# Altium PCB Fast_Servo.PCBDOC (part 1 of 7) (continued)
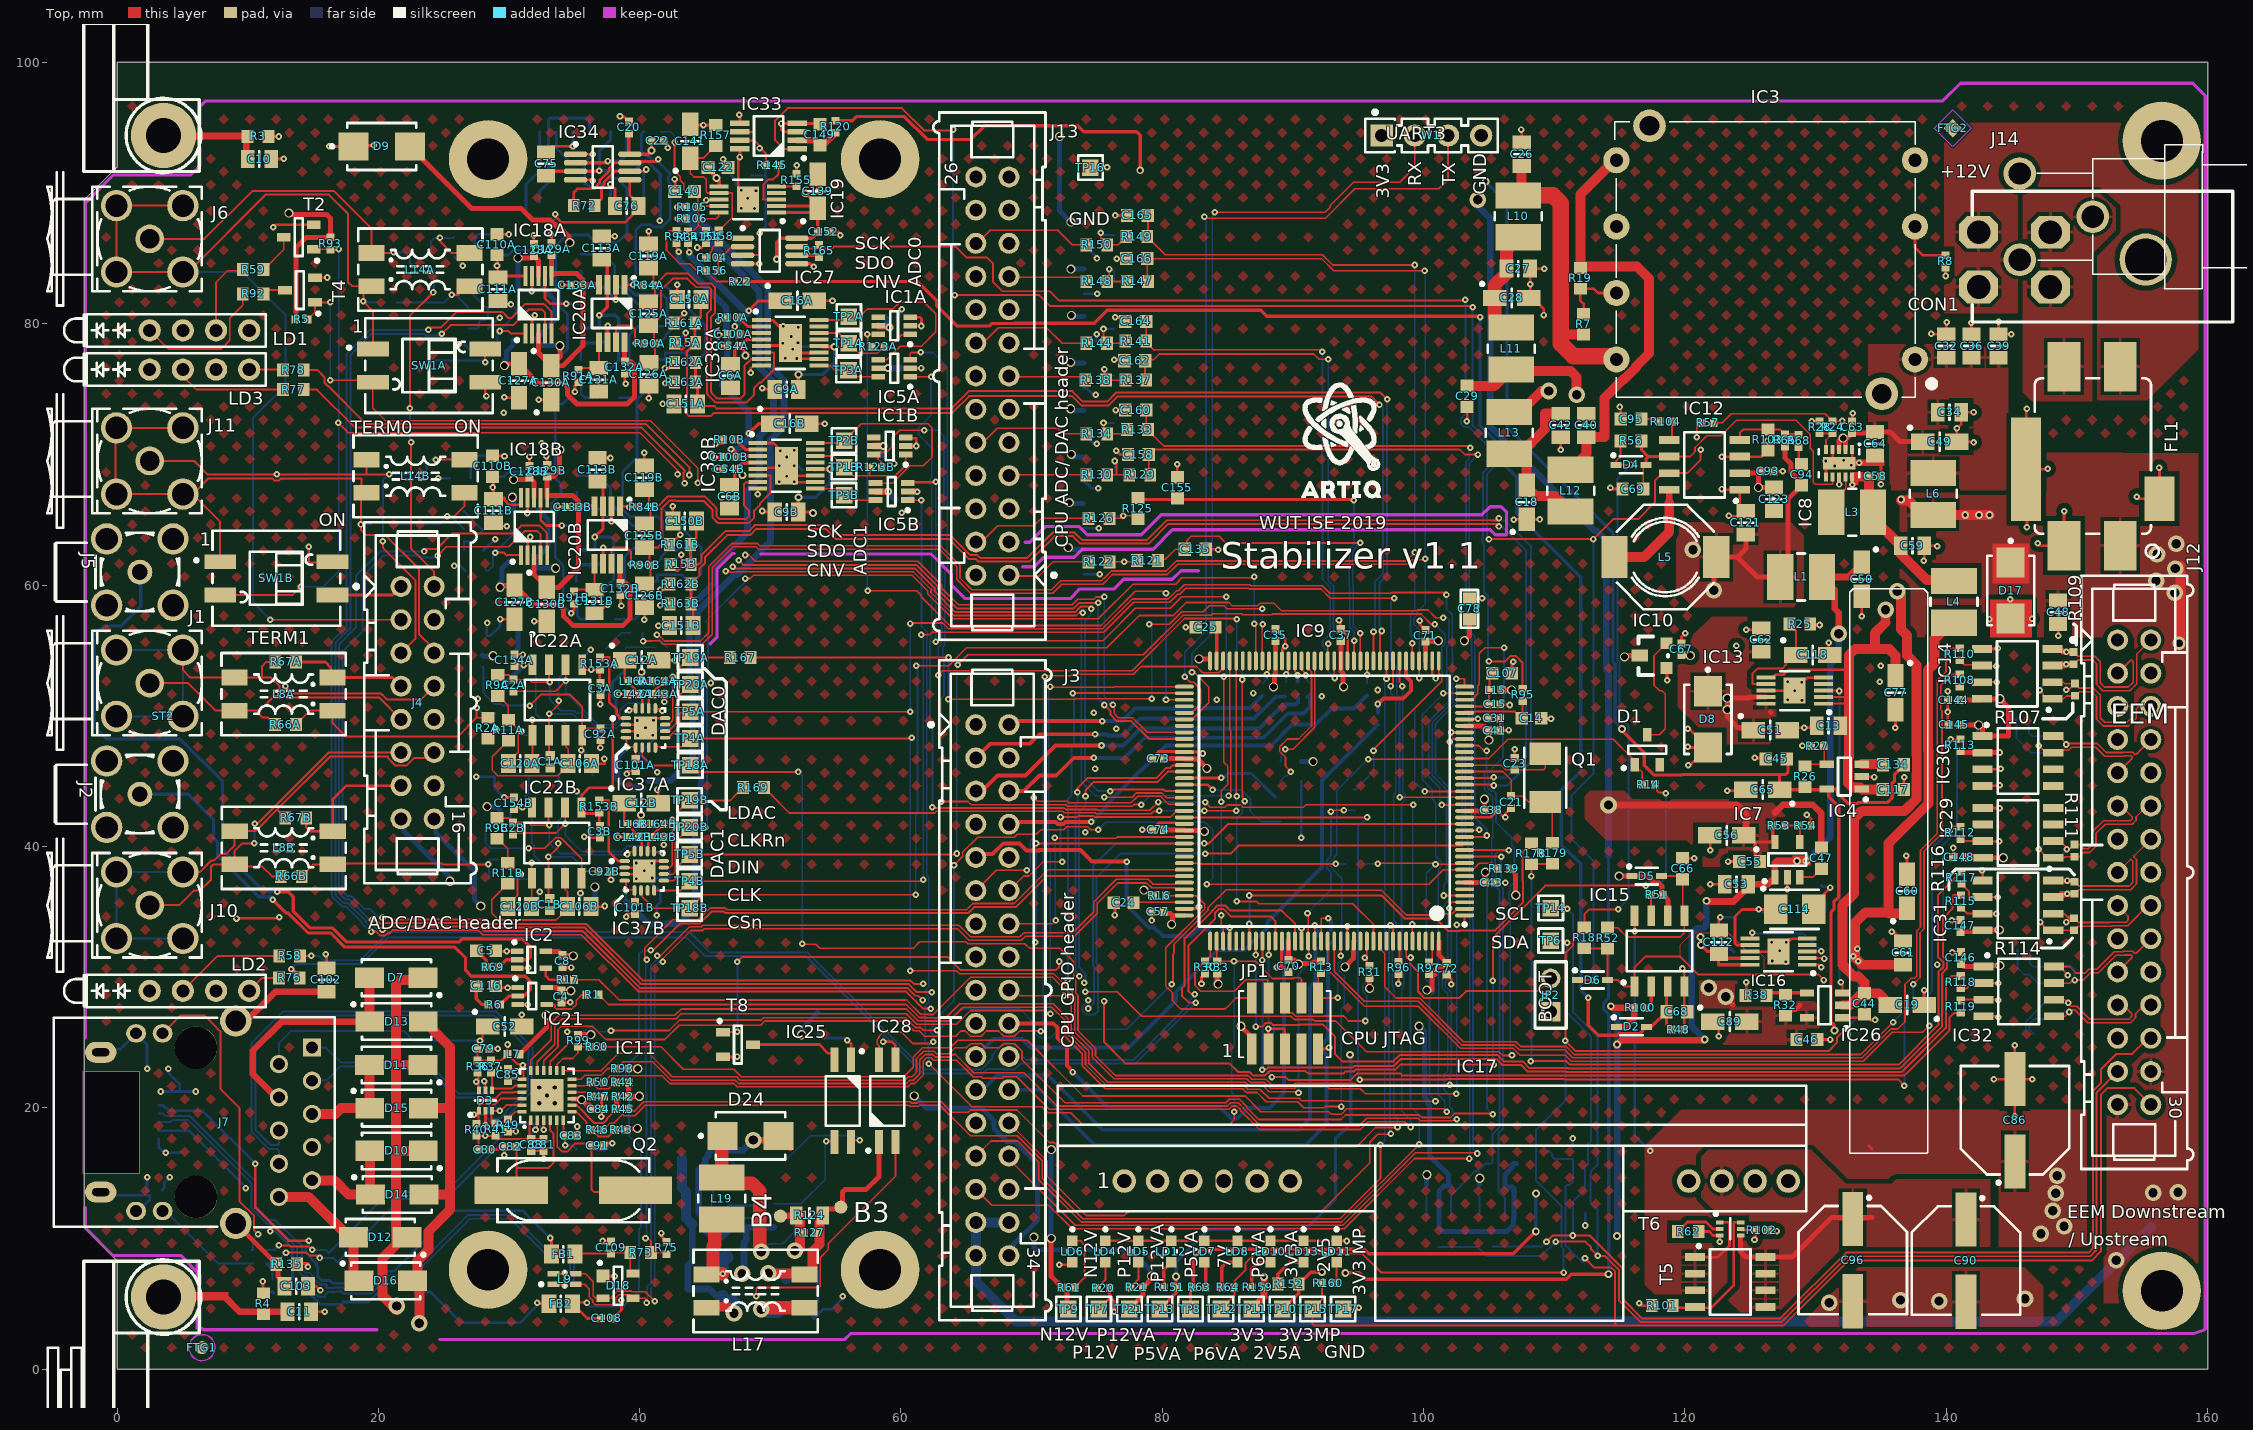
[diagram p0: Top view]
## Classes and differential pairs
net class HV: NetB3_1 NetB4_1 NetC105_2 NetC136_2 NetC156_1 NetC156_2 NetIC17_3 NetIC25_4 POE_IN1 POE_IN2 POE_IN3 POE_IN4 POE_VC+ POE_VC-
net class SPI: QSPI_CLK QSPI_IO0 QSPI_IO1 QSPI_IO2 QSPI_IO3 QSPI_NCS SPI1_MISO SPI1_MOSI SPI1_NSS SPI1_SCK
net class Lpower: P2V5A P3V3A P5V0A P12V0A REF_VCC
net class Hpower: GNDF N12V0A N13V0S NetB3_1 NetC105_2 P3V3 P12V0A P12V0F P12V0FIL P12V0POE P13V0S
channel class ADC_1CH: ADC_1CH1 ADC_1CH2
component class ADC_1CH2: B C6B C7B C9B C16B C54B C100B C137B IC1B IC5B IC38B R10B R123B TP1B TP2B TP3B
component class ADC_1CH1: A C6A C7A C9A C16A C54A C100A C137A IC1A IC5A IC38A R10A R123A TP1A TP2A TP3A
channel class DAC_1CH: DAC_1CH0 DAC_1CH1
component class U_References: C20 C22 C75 C76 C104 C122 C139 C140 C141 C149 C152 C167 IC19 IC27 IC33 IC34 R34 R72 R94 R105 R106 R120 R145 R154 R155 R156 R157 R158 R165 RN3 RN4
component class U_AUX_Analog_IO: C135 C155 C158 C160 C162 C164 C165 C166 D23 D25 D27 D29 D31 D33 D34 D35 J13 R121 R122 R125 R126 R129 R130 R133 R134 R137 R138 R141 R144 R147 R148 R149 R150
component class EEM_connector: C144 C145 C146 C147 C148 IC14 IC23 IC29 IC30 IC31 IC32 IC36 IC39 IC40 IC41 J12 R107 R108 R109 R110 R111 R112 R113 R114 R115 R116 R117 R118 R119 R173 R174 R175
component class DAC_1CH1: C1B C2B C3B C12B C92B C97B C98B C99B C101B C106B C120B C138B C142B C143B C153B C154_2 C154B D21B IC22B IC37B L2B L8B L16B L18B R2B R9B R11B R66B R67B R153B R164B R172B RN5B TP4B TP5B TP18B TP19B TP20B
component class DAC_1CH0: C1A C2A C3A C12A C92A C97A C98A C99A C101A C106A C120A C138A C142A C143A C153A C154_1 C154A D21A IC22A IC37A L2A L8A L16A L18A R2A R9A R11A R66A R67A R153A R164A R172A RN5A TP4A TP5A TP18A TP19A TP20A
channel class Input_AFE: Input_AFE0 Input_AFE1
component class USB: C108 C109 D18 FB1 FB2 J9 L9 R73 R75 SB1 SB2 SB3 SB4
component class RMII_Ethernet: C52 C79 C80 C81 C82 C83 C84 C85 C87 C88 C91 C102 C103 D3 D7 D10 D11 D12 D13 D14 D15 D16 D24 IC11 J7 L7 Q2 R35 R36 R37 R39 R40 R41 R42 R43 R44 R45 R46 R47 R49 R50 R55 R60 R98 R99 R135
component class Input_AFE1: C110B C111B C113B C119B C124B C125B C126B C127B C128B C129B C130B C131B C132B C133B C150B C151B D19B D20B IC18B IC20B L14B R15B R79B R80B R81B R82B R83B R84B R85B R86B R87B R88B R89B R90B R91B R161B R162B R163B R170B R171B RN1B RN2B SW1B
component class Input_AFE0: C110A C111A C113A C119A C124A C125A C126A C127A C128A C129A C130A C131A C132A C133A C150A C151A D19A D20A IC18A IC20A L14A R15A R79A R80A R81A R82A R83A R84A R85A R86A R87A R88A R89A R90A R91A R161A R162A R163A R170A R171A RN1A RN2A SW1A
component class CPU: C14 C15 C21 C23 C24 C25 C31 C35 C37 C38 C41 C43 C57 C67 C70 C71 C72 C73 C74 C78 C107 D1 IC9 IC10 JP1 JP2 L15 Q1 R12 R13 R14 R16 R30 R31 R33 R95 R96 R97 R128 R131 R132 R136 R167 R169 R176 R177 R178 R179 R180 R181 R182 R183 R185 R186 R187 R188 R189
component class Supply_Stabiliser: B3 B4 C13 C18 C19 C26 C27 C28 C29 C32 C33 C34 C36 C39 C40 C42 C44 C45 C46 C47 C48 C49 C50 C51 C53 C55 C56 C58 C59 C60 C61 C62 C63 C64 C65 C66 C68 C69 C77 C86 C89 C90 C93 C94 C95 C96 C105 C112 C114 C115 C117 C118 C121 C123 C134 C136 C156 CON1 D2 D4 D5 D6 D8 D9 D17 D22 FL1 IC3 IC4 IC7 IC8 IC12 IC13 IC15 IC16 IC17 IC25 IC26 IC28 J14 L1 L3 L4 L5 L6 L10 L11 L12 L13 L17 L19 LD4 LD5 LD6 LD7 LD8 LD10 LD11 LD12 LD13 R7 R8 R18 R19 R20 R21 R22 R24 R25 R26 R27 R28 R29 R32 R38 R48 R51 R52 R53 R54 R56 R57 R61 R62 R63 R64 R65 R68 R100 R101 R102 R103 R104 R124 R127 R139 R140 R142 R143 R146 R151 R152 R159 R160 R166 R168 R184 T5 T6 T7 T8 TP7 TP8 TP9 TP10 TP11 TP12 TP13 TP16 TP17 TP21
component class Stabilizer: C4 C5 C8 C10 C11 C17 C116 FTG1 FTG2 FTG3 FTG4 IC2 IC6 IC21 J1 J2 J3 J4 J5 J6 J10 J11 LD1 LD2 LD3 R1 R3 R4 R5 R6 R17 R23 R58 R59 R69 R70 R71 R74 R76 R77 R78 R92 R93 ST2 T1 T2 T3 T4 TP6 TP14 TP15 W1 WASHER1 WASHER2 WASHER3 WASHER4 WASHER5 WASHER6 WASHER7 WASHER8
differential pair INB: +INB_P -INB_N
differential pair INA: +INA_P -INA_N
differential pair USBJ: +USBJ_P -USBJ_N
differential pair USB: +USB_P -USB_N
differential pair DAC_1: +DAC_1_P -DAC_1_N
differential pair DAC_0: +DAC_0_P -DAC_0_N
differential pair PHY_TD: +PHY_TD_P -PHY_TD_N
differential pair PHY_RD: +PHY_RD_P -PHY_RD_N
differential pair LVDS7: +LVDS7_P -LVDS7_N
differential pair LVDS6: +LVDS6_P -LVDS6_N
differential pair LVDS5: +LVDS5_P -LVDS5_N
differential pair LVDS4: +LVDS4_P -LVDS4_N
differential pair LVDS3: +LVDS3_P -LVDS3_N
differential pair LVDS2: +LVDS2_P -LVDS2_N
differential pair LVDS1: +LVDS1_P -LVDS1_N
differential pair LVDS0: +LVDS0_P -LVDS0_N

## Components (designator, comment, footprint, x,y, rotation, side; value= is the part's Value field where it differs from the comment)
A "100nF" CAPC1005X55N 60.427,76.6 r180 bottom
B "100nF" CAPC1005X55N 60.027,66.548 r180 bottom
B3 "SMD Pad" C100 55.398,12.396 r0 top
B4 "SMD Pad" C100 50.775,11.709 r0 top
C1A "3.3pF" CAPC1005X70N 33.152,46.49 r270 top (schematic designator C1)
C1B "3.3pF" CAPC1005X70N 33.107,35.552 r270 top (schematic designator C1)
C2A "10pF" CAPC1005X55N 30.353,52.32 r90 top (schematic designator C2)
C2B "10pF" CAPC1005X55N 30.308,41.382 r90 top (schematic designator C2)
C3A "10pF" CAPC1005X55N 37.002,52.06 r270 top (schematic designator C3)
C3B "10pF" CAPC1005X55N 36.957,41.122 r270 top (schematic designator C3)
C4 "100nF" CAPC1005X55N 34.018,28.508 r90 top
C5 "Undefined" CAPC1608X90N 28.247,32.023 r180 top
C6A "10uF" CAPC2012X95N 46.965,76.014 r90 top (schematic designator C6)
C6B "10uF" CAPC2012X95N 46.888,66.766 r90 top (schematic designator C6)
C7A "100nF" CAPC1005X55N 59.197,80.5 r180 bottom (schematic designator C7)
C7B "100nF" CAPC1005X55N 59.011,69.988 r180 bottom (schematic designator C7)
C8 "100nF" CAPC1005X55N 34.1,31.223 r90 top
C9A "10uF" CAPC2012X95N 51.246,74.986 r0 top (schematic designator C9)
C9B "10uF" CAPC2012X95N 51.25,65.593 r0 top (schematic designator C9)
C10 "Undefined" CAPC2012X135N 10.897,92.608 r0 top
C11 "Undefined" CAPC2012X135N 13.945,4.394 r0 top
C12A "10uF" CAPMP3216X180N 40.158,54.248 r0 top (schematic designator C12)
C12B "10uF" CAPMP3216X180N 40.113,43.31 r0 top (schematic designator C12)
C13 "22uF" CAPC2012X135N 130.988,49.241 r0 top
C14 "2.2uF" CAPC1608X90N 108.25,49.8 r180 top
C15 "100nF" CAPC1005X55N 105.449,50.871 r0 top
C16A "10uF" CAPMP3216X180N 52.077,81.776 r0 top (schematic designator C16)
C16B "10uF" CAPMP3216X180N 51.5,72.358 r0 top (schematic designator C16)
C17 "100nF" CAPC1005X55N 111.42,16.537 r270 bottom
C18 "10uF" CAPMP3216X180N 107.885,66.343 r90 top
C19 "10uF" CAPMP3216X180N 137,27.871 r180 top
C20 "100nF" CAPC1005X55N 39.171,95.025 r270 top
C21 "22pF" CAPC1005X55N 106.699,43.4 r90 top
C22 "100nF" CAPC1005X55N 41.363,94.001 r180 top
C23 "22pF" CAPC1005X55N 106.974,46.324 r270 top
C24 "2.2uF" CAPC1608X90N 77.048,35.684 r180 top
C25 "2.2uF" CAPC1608X90N 83.321,56.784 r180 top
C26 "22uF" CAPC2012X135N 107.5,92.976 r270 top
C27 "22uF" CAPC2012X135N 107.25,84.226 r180 top
C28 "10uF" CAPMP3216X180N 106.75,81.976 r0 top
C29 "1uF" CAPC1608X87N 103.327,74.447 r90 top
C31 "100nF" CAPC1005X55N 105.409,49.8 r0 top
C32 "22uF" CAPC2012X135N 140,78.3 r270 top
C33 "4.7nF" CAPC3216X140N 52.693,6.891 r180 bottom
C34 "22uF" CAPC2012X135N 140.25,73.226 r180 top
C35 "100nF" CAPC1005X55N 88.659,56.175 r90 top
C36 "22uF" CAPC2012X135N 141.935,78.3 r270 top
C37 "100nF" CAPC1005X55N 93.659,56.175 r90 top
C38 "100nF" CAPC1005X55N 105.159,42.774 r0 top
C39 "22uF" CAPC2012X135N 144,78.3 r270 top
C40 "22uF" CAPC2012X135N 112.454,72.226 r270 top
C41 "100nF" CAPC1005X55N 105.409,48.871 r0 top
C42 "22uF" CAPC2012X135N 110.5,72.226 r90 top
C43 "100nF" CAPC1005X55N 105.159,37.227 r0 top
C44 "1uF" CAPC1608X87N 133.731,27.965 r90 top
C45 "1uF" CAPC1608X87N 126.992,46.696 r0 top
C46 "1uF" CAPC1608X87N 129.337,25.222 r180 top
C47 "10nF" CAPC1608X87N 130.442,39.096 r90 top
C48 "22uF" CAPC2012X135N 148.559,57.921 r90 top
C49 "10uF" CAPMP3216X180N 139.5,70.976 r0 top
C50 "10uF" CAPMP3216X180N 133.542,60.452 r270 top
C51 "10uF" CAPMP3216X180N 126.542,48.903 r0 top
C52 "10uF" CAPMP3216X180N 29.666,26.217 r0 top
C53 "22uF" CAPC2012X135N 123.942,37.096 r0 top
C54A "100nF" CAPC1005X55N 47.172,78.291 r0 top (schematic designator C54)
C54B "100nF" CAPC1005X55N 46.871,68.883 r0 top (schematic designator C54)
C55 "1uF" CAPC1608X87N 124.942,38.846 r0 top
C56 "10uF" CAPMP3216X180N 123.192,40.846 r180 top
C57 "100nF" CAPC1005X55N 79.633,35.002 r180 top
C58 "100nF" CAPC1005X55N 134.55,68.328 r180 top
C59 "22uF" CAPC2012X135N 137.414,63.017 r180 top
C60 "10uF" CAPMP3216X180N 137,36.561 r90 top
C61 "22uF" CAPC2012X135N 136.692,31.846 r270 top
C62 "22uF" CAPC2012X135N 125.848,55.801 r270 top
C63 "100nF" CAPC1005X55N 132.8,72.078 r270 top
C64 "22uF" CAPC2012X135N 134.55,70.828 r90 top
C65 "10uF" CAPMP3216X180N 125.942,44.346 r180 top
C66 "1uF" CAPC1608X87N 119.825,38.289 r270 top
C67 "100nF" CAPC1005X55N 119.736,55.096 r90 top
C68 "1uF" CAPC1608X87N 119.39,27.348 r180 top
C69 "1uF" CAPC1608X87N 116.021,67.353 r0 top
C70 "100nF" CAPC1005X55N 89.657,30.85 r270 top
C71 "100nF" CAPC1005X55N 100.129,56.125 r90 top
C72 "100nF" CAPC1005X55N 101.774,30.644 r270 top
C73 "100nF" CAPC1005X55N 79.683,46.727 r180 top
C74 "100nF" CAPC1005X55N 79.683,41.274 r180 top
C75 "47nF" CAPC2012X135N 32.834,92.236 r270 top
C76 "47nF" CAPC2012X135N 39.011,89.015 r0 top
C77 "10uF" CAPMP3216X180N 136.119,51.765 r270 top
C78 "4.7uF_X5R_0603" 0603C 103.5,58.175 r90 top value=1µF
C79 "100nF" CAPC1005X55N 28.045,24.5 r0 top
C80 "100nF" CAPC1005X55N 28.141,16.805 r180 top
C81 "100nF" CAPC1005X55N 32.655,17.151 r90 top
C82 "30pF" CAPC1005X55N 30.106,17 r0 top
C83 "1nF" CAPC1005X55N 34.747,17.856 r180 top
C84 "100nF" CAPC1005X55N 36.82,19.895 r180 top
C85 "100nF" CAPC1005X55N 29.921,22.521 r270 top
C86 "220uF" CAPAE830X620N 145.25,19.045 r90 top
C87 "1uF" CAPC1608X87N 35.941,16.764 r180 bottom
C88 "100nF" CAPC1005X55N 31.705,17.151 r90 top
C89 "10uF" CAPMP3216X180N 123.442,26.596 r0 top
C90 "220uF" CAPAE830X620N 141.5,8.306 r270 top
C91 "30pF" CAPC1005X55N 36.77,17.094 r180 top
C92A "100nF" CAPC1005X55N 37.002,48.585 r90 top (schematic designator C92)
C92B "100nF" CAPC1005X55N 37.301,38.073 r180 top (schematic designator C92)
C93 "100nF" CAPC1005X55N 126.346,68.703 r180 top
C94 "150pF" CAPC1608X87N 128.93,68.436 r270 top
C95 "3.9nF" CAPC1608X87N 115.875,72.703 r0 top
C96 "220uF" CAPAE830X620N 132.842,8.336 r270 top
C97A "10uF" CAPMP3216X180N 35.096,45.419 r0 bottom (schematic designator C97)
C97B "10uF" CAPMP3216X180N 33.567,35.25 r0 bottom (schematic designator C97)
C98A "10uF" CAPMP3216X180N 29.607,56.136 r180 bottom (schematic designator C98)
C98B "10uF" CAPMP3216X180N 30.196,45.322 r180 bottom (schematic designator C98)
C99A "10uF" CAPMP3216X180N 42.938,50.322 r270 bottom (schematic designator C99)
C99B "10uF" CAPMP3216X180N 42.893,39.384 r270 bottom (schematic designator C99)
C100A "100nF" CAPC1005X55N 47.177,79.202 r0 top (schematic designator C100)
C100B "100nF" CAPC1005X55N 46.876,69.794 r0 top (schematic designator C100)
C101A "100nF" CAPC1005X55N 39.698,46.232 r90 top (schematic designator C101)
C101B "100nF" CAPC1005X55N 39.653,35.294 r90 top (schematic designator C101)
C102 "Undefined" CAPC2012X135N 16.03,29.78 r90 top
C103 "Undefined" CAPC2012X135N 13.716,6.35 r0 top
C104 "100nF" CAPC1005X55N 45.55,85.037 r0 top
C105 "4.7nF" CAPC3216X140N 52.146,4.547 r180 bottom
C106A "220pF" CAPC2013X100N 35.427,46.335 r180 top (schematic designator C106)
C106B "220pF" CAPC2013X100N 35.382,35.397 r180 top (schematic designator C106)
C107 "2.2uF" CAPC1608X90N 106.009,53.246 r180 top
C108 "100nF" CAPC1005X55N 37.5,3.875 r180 top
C109 "100nF" CAPC1005X55N 37.807,9.302 r270 top
C110A "18pF" CAPC1608X87N 29.081,86.064 r270 top (schematic designator C110)
C110B "18pF" CAPC1608X87N 28.747,69.099 r270 top (schematic designator C110)
C111A "82pF" CAPC2012X90N 29.151,82.644 r90 top (schematic designator C111)
C111B "82pF" CAPC2012X90N 28.817,65.679 r90 top (schematic designator C111)
C112 "22uF" CAPC2012X135N 122.6,32.671 r270 top
C113A "47nF" CAPC2012X135N 37.105,85.795 r270 top (schematic designator C113)
C113B "47nF" CAPC2012X135N 36.77,68.831 r270 top (schematic designator C113)
C114 "22uF" CAPMP3528X210N 128.391,35.179 r0 top
C115 "10uF" CAPMP3216X180N 123.723,33.249 r90 bottom
C116 "Undefined" CAPC1608X90N 28.247,29.321 r180 top
C117 "1uF" CAPC1608X87N 135.942,44.346 r180 top
C118 "10uF" CAPMP3216X180N 129.795,54.654 r0 top
C119A "2.2nF" CAPC2013X100N 40.692,85.189 r270 top (schematic designator C119)
C119B "2.2nF" CAPC2013X100N 40.358,68.224 r270 top (schematic designator C119)
C120A "220pF" CAPC2013X100N 30.852,46.335 r0 top (schematic designator C120)
C120B "220pF" CAPC2013X100N 30.807,35.397 r0 top (schematic designator C120)
C121 "22uF" CAPC2012X135N 124.663,64.767 r270 top
C122 "10uF" CAPC1608X80N 46,91.97 r180 top
C123 "22uF" CAPC2012X135N 126.817,66.573 r90 top
C124A "18pF" CAPC1608X87N 27.766,78.074 r0 bottom (schematic designator C124)
C124B "18pF" CAPC1608X87N 27.432,61.11 r0 bottom (schematic designator C124)
C125A "2.2nF" CAPC2013X100N 40.692,80.754 r90 top (schematic designator C125)
C125B "2.2nF" CAPC2013X100N 40.358,63.789 r90 top (schematic designator C125)
C126A "2.2nF" CAPC2013X100N 40.714,76.143 r270 top (schematic designator C126)
C126B "2.2nF" CAPC2013X100N 40.379,59.178 r270 top (schematic designator C126)
C127A "10uF" CAPMP3216X180N 30.761,75.643 r270 top (schematic designator C127)
C127B "10uF" CAPMP3216X180N 30.427,58.678 r270 top (schematic designator C127)
C128A "100nF" CAPC1005X55N 31.901,85.639 r270 top (schematic designator C128)
C128B "100nF" CAPC1005X55N 31.567,68.674 r270 top (schematic designator C128)
C129A "100nF" CAPC1005X55N 33.261,85.714 r270 top (schematic designator C129)
C129B "100nF" CAPC1005X55N 32.927,68.749 r270 top (schematic designator C129)
C130A "10uF" CAPMP3216X180N 33.236,75.489 r90 top (schematic designator C130)
C130B "10uF" CAPMP3216X180N 32.902,58.524 r90 top (schematic designator C130)
C131A "47nF" CAPC2012X135N 36.88,75.714 r90 top (schematic designator C131)
C131B "47nF" CAPC2012X135N 36.545,58.749 r90 top (schematic designator C131)
C132A "100nF" CAPC1005X55N 38.867,76.668 r90 top (schematic designator C132)
C132B "100nF" CAPC1005X55N 38.533,59.703 r90 top (schematic designator C132)
C133A "100nF" CAPC1005X55N 35.207,82.939 r0 top (schematic designator C133)
C133B "100nF" CAPC1005X55N 34.872,65.974 r0 top (schematic designator C133)
C134 "10nF" CAPC1608X87N 135.957,46.253 r0 top
C135 "82pF" CAPC1608X87N 82.525,62.747 r180 top
C136 "22uF" CAPC2012X135N 50.254,11.752 r90 bottom
C137A "100nF" CAPC1005X55N 53.391,78.232 r0 bottom (schematic designator C137)
C137B "100nF" CAPC1005X55N 52.89,68.809 r0 bottom (schematic designator C137)
C138A "10uF" CAPMP3216X180N 40.234,45.771 r90 bottom (schematic designator C138)
C138B "10uF" CAPMP3216X180N 40.278,35.764 r0 bottom (schematic designator C138)
C139 "10uF" CAPMP3216X180N 53.635,90.13 r90 top
C140 "10uF" CAPC1608X80N 43.434,90.13 r0 top
C141 "10uF" CAPMP3216X180N 43.873,93.98 r90 top
C142A "100nF" CAPC1005X55N 39.517,51.65 r0 top (schematic designator C142)
C142B "100nF" CAPC1005X55N 39.473,40.712 r0 top (schematic designator C142)
C143A "100nF" CAPC1005X55N 41.448,51.65 r180 top (schematic designator C143)
C143B "100nF" CAPC1005X55N 41.403,40.712 r180 top (schematic designator C143)
C144 "100nF" CAPC1005X55N 140.576,51.206 r0 top
C145 "100nF" CAPC1005X55N 140.626,49.296 r0 top
C146 "100nF" CAPC1005X55N 141.127,31.472 r270 top
C147 "100nF" CAPC1005X55N 141.086,33.921 r270 top
C148 "100nF" CAPC1005X55N 140.985,39.176 r0 top
C149 "1uF" CAPC1608X87N 53.8,94.461 r270 top
C150A "2.2nF" CAPC2013X100N 43.777,81.869 r0 top (schematic designator C150)
C150B "2.2nF" CAPC2013X100N 43.443,64.904 r0 top (schematic designator C150)
C151A "2.2nF" CAPC2013X100N 43.527,73.864 r0 top (schematic designator C151)
C151B "2.2nF" CAPC2013X100N 43.193,56.899 r0 top (schematic designator C151)
C152 "100nF" CAPC1005X55N 54.085,87.03 r180 top
C153A "10uF" CAPC1005X70N 39.754,56.363 r0 bottom (schematic designator C153)
C153B "10uF" CAPC1005X70N 41.639,55.245 r0 bottom (schematic designator C153)
C154A "100nF" CAPC1005X55N 30.416,54.248 r270 top (schematic designator C154)
C154B "100nF" CAPC1005X55N 30.371,43.31 r270 top (schematic designator C154)
C155 "82pF" CAPC1608X87N 81.153,67.462 r270 top
C156 "4.7nF" CAPC3216X140N 46.282,6.997 r90 bottom
C158 "82pF" CAPC1608X87N 78.175,69.995 r0 top
C160 "82pF" CAPC1608X87N 77.975,73.4 r0 top
C162 "82pF" CAPC1608X87N 77.9,77.174 r0 top
C164 "82pF" CAPC1608X87N 77.963,80.189 r0 top
C165 "390pF" CAPC1608X87N 78.1,88.291 r0 top
C166 "390pF" CAPC1608X87N 78.05,84.991 r0 top
C167 "10uF" CAPC1608X80N 47.777,91.336 r0 bottom
CON1 "MRX56904CV" MRX56904CV 147.971,87.016 r90 top
D1 "BAT54C" SOT95P240X130-3N 117.117,47.403 r90 top
D2 "1N4148WS" SODFL2512X100N 115.91,26.188 r0 top
D3 "NUP4114UPXV6T1G" SOTFL50P160X60-6N 28.195,20.555 r90 top
D4 "1N4148WS" SODFL2512X100N 115.875,69.203 r0 top
D5 "1N4148WS" SODFL2512X100N 117.08,37.734 r0 top
D6 "1N4148WS" SODFL2512X100N 112.935,29.777 r0 top
D7 "SS16" DIOM5127X229N 21.377,29.95 r180 top
D8 "SMBJ12A" DIOM5336X265N 121.76,49.727 r270 top
D9 "SMBJ12A" DIOM5336X265N 20.261,93.571 r0 top
D10 "SS16" DIOM5127X229N 21.396,16.701 r180 top
D11 "SS16" DIOM5127X229N 21.377,23.265 r180 top
D12 "SS16" DIOM5127X229N 20.147,10.084 r180 top
D13 "SS16" DIOM5127X229N 21.396,26.596 r0 top
D14 "SS16" DIOM5127X229N 21.451,13.36 r0 top
D15 "SS16" DIOM5127X229N 21.401,19.965 r0 top
D16 "SS16" DIOM5127X229N 20.567,6.756 r0 top
D17 "SMBJ15A" DIOM5336X265N 144.924,59.585 r270 top
D18 "PRTR5V0U2X" SOT190P230X110-4N 38.357,6.371 r0 top
D19A "BAV199" SOT95P240X110-3N 31.639,83.874 r90 bottom (schematic designator D19)
D19B "BAV199" SOT95P240X110-3N 31.304,66.909 r90 bottom (schematic designator D19)
D20A "BAV199" SOT95P240X110-3N 31.243,79.909 r90 bottom (schematic designator D20)
D20B "BAV199" SOT95P240X110-3N 30.909,62.944 r90 bottom (schematic designator D20)
D21A "BAV199" SOT95P240X110-3N 28.981,51.309 r270 bottom (schematic designator D21)
D21B "BAV199" SOT95P240X110-3N 29.157,40.159 r270 bottom (schematic designator D21)
D22 "BAT54C" SOT95P240X130-3N 108.255,16.701 r0 bottom
D23 "BAV199" SOT95P240X110-3N 75.15,61.777 r0 bottom
D24 "SMBJ60A" DIOM5336X265N 48.488,17.845 r0 top
D25 "BAV199" SOT95P240X110-3N 75.075,65.306 r0 bottom
D27 "BAV199" SOT95P240X110-3N 75.15,68.862 r0 bottom
D29 "BAV199" SOT95P240X110-3N 75.15,72.412 r0 bottom
D31 "BAV199" SOT95P240X110-3N 75.15,76.034 r0 bottom
D33 "BAV199" SOT95P240X110-3N 75.175,79.605 r0 bottom
D34 "BAV199" SOT95P240X110-3N 75.175,86.791 r0 bottom
D35 "BAV199" SOT95P240X110-3N 75.175,83.241 r0 bottom
FB1 "220R@100MHz" INDC2012X105N 34.15,8.799 r180 top
FB2 "220R@100MHz" INDC2012X105N 33.972,5 r180 top
FL1 "10A/50VDC" FIL_MURATA_BNX02 151.217,69.872 r270 top
FTG1 "Use only in PCB" FIDUCIAL_TOP_C100-200 6.5,1.646 r90 top
FTG2 "Use only in PCB" FIDUCIAL_TOP_S100-200 140.5,94.966 r90 top
FTG3 "Use only in PCB" FIDUCIAL_TOP_S100-200 14.5,94 r90 bottom
FTG4 "Use only in PCB" FIDUCIAL_TOP_S100-200 149.86,17.805 r90 bottom
IC1A "SN74AUC2G34DCKR" DCK0006A_M 59.476,79.854 r180 top (schematic designator IC1)
IC1B "SN74AUC2G34DCKR" DCK0006A_M 59.131,70.647 r180 top (schematic designator IC1)
IC2 "SN74LVC1G125DCKT" SOT65P210X110-5N 31.718,31.323 r0 top
IC3 "CC6-1212DF-E" CC6-1212DF-E 135.07,74.646 r180 top
IC4 "LT1761ES5-BYP#TRMPBF" SOT95P280X100-5N 132.192,45.346 r180 top
IC5A "SN74AUC2G34DCKR" DCK0006A_M 59.476,76.6 r180 top (schematic designator IC5)
IC5B "SN74AUC2G34DCKR" DCK0006A_M 59.284,67.158 r180 top (schematic designator IC5)
IC6 "24AA02E48T-I/OT" SOT95P280X145-5N 112.37,13.233 r90 bottom
IC7 "LT1761ES5-BYP#TRMPBF" SOT95P280X100-5N 127.842,38.995 r90 top
IC8 "TPS62175DQC" SON50P200X300X80-11N-R94X250 131.8,69.328 r270 top
IC9 "STM32H743ZIT6" TSQFP50P2200X2200X160-144N 92.409,43.477 r180 top locked
IC10 "STM809SWX6F" SOT-23 118.588,53.646 r90 top
IC11 "LAN8742A-CZ-TR" QFN24_0R5_4X4 32.905,20.945 r90 top
IC12 "NCP3170ADR2G" SOIC127P600X175-8N 121.499,69.203 r180 top
IC13 "LT3042EMSE#PBF" SOP50P490X110-11N-R168X198 128.391,51.923 r180 top
IC14 "FIN1028MX" SOIC127P600X175-8N 145.432,53.206 r180 top
IC15 "LM393AD" SOIC127P600X175-8N 118.054,31.989 r90 top
IC16 "LT3042EMSE#PBF" SOP50P490X110-11N-R168X198 127.162,31.948 r180 top
IC17 "AG5300" SILVERTEL_AG5300 102.5,14.391 r0 top locked
IC18A "AD8250ARMZ" SOP50P490X110-10N 32.261,81.459 r90 top (schematic designator IC18)
IC18B "AD8250ARMZ" SOP50P490X110-10N 31.927,64.495 r90 top (schematic designator IC18)
IC19 "LT3042EMSE#PBF" SOP50P490X110-11N-R168X198 48.287,89.515 r180 top
IC20A "OPA2197IDGKR" SOP65P490X110-8N 37.855,80.801 r270 top (schematic designator IC20)
IC20B "OPA2197IDGKR" SOP65P490X110-8N 37.52,63.836 r270 top (schematic designator IC20)
IC21 "SN74LVC1G125DCKT" SOT65P210X110-5N 31.775,28.548 r0 top